# Altium PCB cyber60.PcbDoc (part 3 of 3)
Units mm, origin at the board's own origin, x right, y up, seen from the top; angles counter-clockwise.
Board outline 284.81 x 94.3 mm, 2 copper layers (Component Side, Bottom Layer), stack 1.571 mm thick; 182 components, 112 nets, 815 pads, 228 vias.
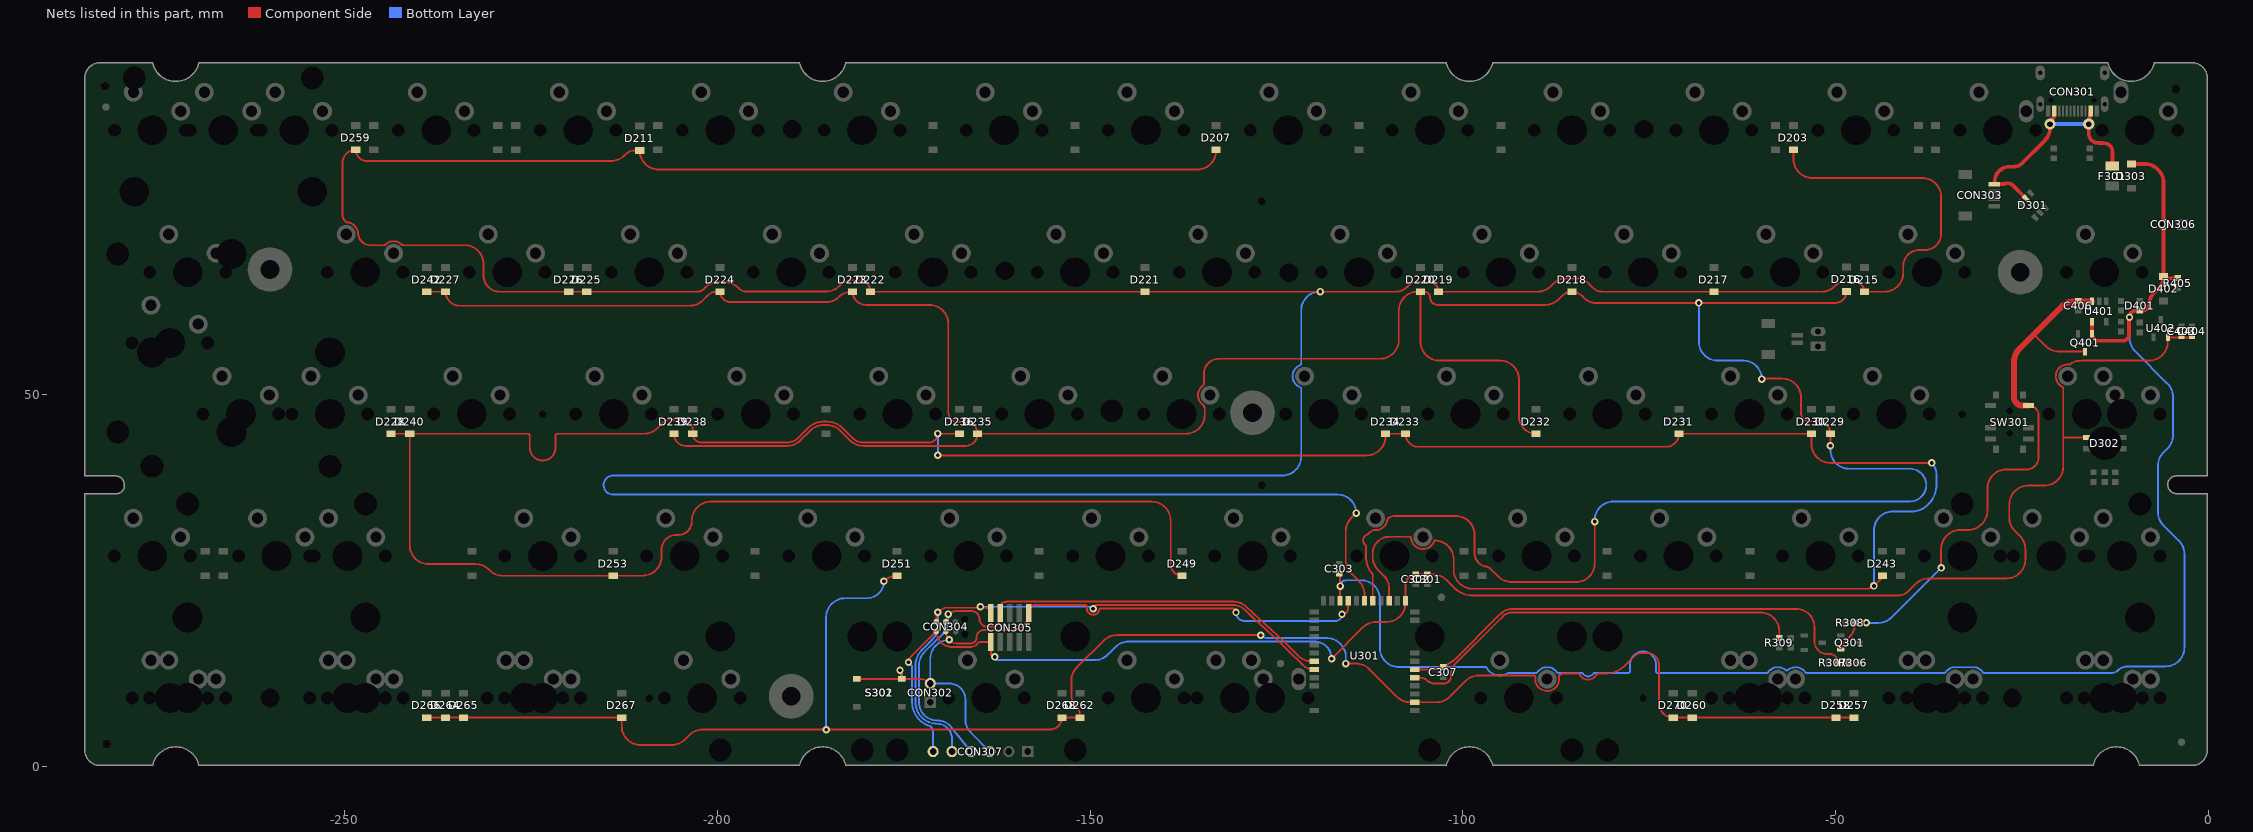
[diagram p3: the nets of this part, all layers, seen from the top]

## Via types
v1: diameter 1, hole 0.5, Component Side to Bottom Layer, tented both sides, 221 vias
v2: diameter 1.5, hole 0.8, Component Side to Bottom Layer, tented both sides, 5 vias
v3: diameter 1.5, hole 0.75, Component Side to Bottom Layer, tented both sides, 2 vias

## Nets (pads, with @x,y where several pads share a name; then routed paths per layer and width w, separated by ;. In a path a pad name is that pad's centre, name@x,y a point inside that pad or via, vN(x,y) a via of type N, cw(c..) or ccw(c..) an arc to the next point about the centre after c; other vN are vias at no path point) (continued)
P0.18/RESET: CON302.2 CON304.3 CON305.10 CON307.3 S301.2 S302.1 U301.21 | length 102.1
  Component Side w0.254: S301.2@-181.308,11.781 S301.2@-175.308,11.781 ; v1(-175.514,12.954) cw(c-176.011,12.457) -175.308,12.457 S301.2@-175.308,11.781 ; CON302.2@-171.45,11.176 ccw(c-172.911,9.715) -172.911,11.781 S301.2@-175.308,11.781 ; CON304.3@-169.371,18.161 ccw(c-167.72,18.161) -167.72,16.51 -166.116,16.51 ccw(c-166.116,17.399) -165.227,17.399 cw(c-164.284,17.399) -164.284,18.342 -160.519,18.342 ccw(c-160.519,20.619) CON305.10@-158.242,20.619 cw(c-157.017,20.619) -157.674,21.653 cw(c-157.539,21.438) -157.537,21.692 -150.664,21.692 cw(c-150.662,21.438) -150.414,21.384 ccw(c-149.606,21.209) -148.797,21.037 cw(c-148.549,20.984) -148.548,21.238 -130.966,21.238 cw(c-130.966,20.701) v1(-130.429,20.701) ; v1(-116.205,20.447) ccw(c-116.205,21.272) -115.38,21.272 U301.21@-115.38,22.25
  Bottom Layer w0.254: S302.1@-181.308,11.781 S302.1@-175.308,11.781 -175.308,12.457 ccw(c-176.011,12.457) v1(-175.514,12.954) ; v1(-168.91,17.018) ccw(c-168.91,14.478) -171.45,14.478 CON302.2@-171.45,11.176 -168.91,11.176 cw(c-168.91,9.017) -166.751,9.017 -166.751,6.386 ccw(c-164.211,6.386) -166.007,4.59 CON307.3@-163.449,2.032 ; v1(-130.429,20.701) ccw(c-129.286,20.701) -129.286,19.558 -117.094,19.558 ccw(c-117.094,20.447) v1(-116.205,20.447)
P0.21: D203.2 D207.2 D211.2 D215.2 D217.2 D219.2 D221.2 D222.2 D225.2 D226.2 D259.2 U301.19 | length 626.7
  Component Side w0.254: -248.229,71.635 cw(c-249.815,71.445) -248.218,71.456 ; D207.2@-133.096,82.78 -133.096,82.677 cw(c-135.636,82.677) -135.636,80.137 -207.899,80.137 cw(c-207.899,82.677) -210.439,82.677 D211.2@-210.439,82.693 -211.079,82.693 ccw(c-211.079,80.904) -212.344,82.169 -212.489,82.024 cw(c-214.285,83.82) -214.285,81.28 -247.039,81.28 cw(c-247.039,82.78) D259.2@-248.539,82.78 ccw(c-248.539,81.002) -250.317,81.002 -250.317,73.985 ccw(c-249.282,73.985) -249.745,73.06 ccw(c-249.631,73.287) -249.658,73.034 ccw(c-249.631,73.287) -249.656,73.034 cw(c-249.815,71.445) -249.282,72.951 cw(c-249.815,71.445) -248.218,71.456 ; v1(-114.3,34.036) -114.953,33.383 ccw(c-113.157,31.587) -115.697,31.587 -115.697,27.568 ccw(c-113.529,27.568) -115.062,26.035 -113.924,24.897 cw(c-115.72,23.101) -113.18,23.101 U301.19@-113.18,22.25 ; D217.2@-66.421,63.627 -66.335,63.713 cw(c-66.294,63.672) D217.2@-66.294,63.73 ; D203.2@-55.626,82.78 -55.626,81.534 ccw(c-53.086,81.534) -53.086,78.994 -38.354,78.994 cw(c-38.354,76.454) -35.814,76.454 -35.814,71.501 cw(c-37.973,71.501) -37.973,69.342 -38.735,69.342 ccw(c-38.735,67.183) -40.894,67.183 -40.894,66.27 cw(c-43.434,66.27) -43.434,63.73 D215.2@-46.101,63.73 ccw(c-47.395,63.73) -47.395,65.024 -48.812,65.024 ccw(c-48.812,63.29) -50.038,64.516 -50.08,64.474 cw(c-51.876,66.27) -51.876,63.73 D217.2@-66.294,63.73 ; -248.218,71.456 ccw(c-247.964,71.457) -248.218,71.454 ccw(c-247.964,71.457) -248.218,71.452 -248.218,71.439 ccw(c-246.572,71.635) -246.574,69.977 ccw(c-246.572,71.635) -246.572,69.977 -246.267,69.977 -244.756,69.977 ccw(c-244.756,70.231) -244.579,70.049 cw(c-243.465,68.905) -242.351,70.049 ccw(c-242.174,70.231) -242.174,69.977 -239.613,69.977 -233.934,69.977 cw(c-233.934,67.437) -231.394,67.437 -231.394,65.913 ccw(c-229.211,65.913) -229.211,63.73 D226.2@-219.964,63.73 D225.2@-217.551,63.73 -202.781,63.73 ccw(c-202.781,65.113) -201.803,64.135 -201.658,64.28 cw(c-199.862,62.484) -199.862,65.024 -199.045,65.024 cw(c-199.045,62.484) -197.249,64.28 -197.104,64.135 ccw(c-196.184,65.055) -196.184,63.754 -185.456,63.754 ccw(c-185.456,66.294) -183.66,64.498 -183.515,64.643 cw(c-181.982,63.11) -181.982,65.278 -180.999,65.278 cw(c-180.999,63.73) D222.2@-179.451,63.73 D221.2@-142.621,63.73 -109.033,63.73 ccw(c-109.033,65.98) -107.442,64.389 -107.256,64.575 cw(c-106.172,63.491) -106.172,65.024 -104.545,65.024 cw(c-104.545,63.73) D219.2@-103.251,63.73 -89.976,63.73 ccw(c-89.976,66.27) -88.18,64.474 -87.866,64.788 cw(c-86.07,62.992) -86.07,65.532 -84.872,65.532 cw(c-84.872,62.992) -83.076,64.788 -82.55,64.262 ccw(c-81.266,65.546) -81.266,63.73 D217.2@-66.294,63.73
  Bottom Layer w0.254: v1@-119.126,63.754 v1(-119.141,63.754) ccw(c-119.141,61.214) -121.681,61.214 -121.681,54.106 cw(c-121.935,54.105) -121.838,53.871 ccw(c-121.227,52.395) -121.838,50.919 cw(c-121.935,50.685) -121.681,50.684 -121.681,41.611 cw(c-124.221,41.611) -124.221,39.071 -214,39.071 ccw(c-214,37.79) -214,36.509 -116.773,36.509 cw(c-116.773,34.036) v1(-114.3,34.036)
P0.23: D216.2 D218.2 D220.2 D223.2 D224.2 D227.2 D229.2 D232.2 D235.2 D239.2 D242.2 U301.18 | length 453.7
  Component Side w0.254: D242.2@-239.014,63.73 D227.2@-236.474,63.73 ccw(c-234.593,63.73) -234.593,61.849 -203.744,61.849 ccw(c-203.744,64.389) -201.948,62.593 -201.295,63.246 cw(c-200.127,62.078) -200.127,63.73 D224.2@-199.644,63.73 ccw(c-198.271,63.73) -198.271,62.357 -185.302,62.357 ccw(c-185.302,64.525) -183.769,62.992 cw(c-181.987,61.21) -183.267,63.381 cw(c-181.987,61.21) -181.987,63.73 D223.2@-181.864,63.73 ccw(c-180.11,63.73) -180.11,61.976 -171.577,61.976 cw(c-171.577,59.436) -169.037,59.436 -169.037,47.625 ccw(c-167.64,47.625) -167.64,46.228 -166.648,46.228 cw(c-166.648,44.68) D235.2@-165.1,44.68 ; D239.2@-205.867,44.68 ccw(c-204.24,44.68) -204.24,43.053 -190.663,43.053 ccw(c-190.663,45.593) -188.867,43.797 -187.561,45.103 cw(c-185.765,43.307) -185.765,45.847 -185.329,45.847 cw(c-185.329,43.307) -183.533,45.103 -182.227,43.797 ccw(c-180.431,45.593) -180.431,43.053 -166.727,43.053 ccw(c-166.727,44.68) D235.2@-165.1,44.68 ; -134.849,48.551 cw(c-134.997,48.344) -134.747,48.39 ccw(c-134.62,48.39) -134.62,48.263 -134.62,47.22 cw(c-137.16,47.22) -137.16,44.68 D235.2@-165.1,44.68 ; -134.85,48.551 cw(c-133.927,49.855) -135.509,50.077 cw(c-133.927,49.855) -134.854,51.156 ccw(c-135.001,51.363) -134.747,51.364 -134.747,52.705 cw(c-132.715,52.705) -132.715,54.737 -111.125,54.737 ccw(c-111.125,57.277) -108.585,57.277 -108.585,61.19 cw(c-106.045,61.19) -107.027,63.533 cw(c-106.045,61.19) -106.045,63.73 D220.2@-105.664,63.73 ; U301.18@-112.08,22.25 -112.08,25.731 ccw(c-112.334,25.732) -112.143,25.9 cw(c-109.547,28.169) -112.995,28.169 -112.995,29.554 ccw(c-113.249,29.555) -113.083,29.747 cw(c-112.541,30.372) -112.976,31.075 cw(c-112.541,30.372) -112.811,31.154 ccw(c-112.894,31.394) -112.695,31.236 cw(c-111.601,30.372) -111.907,31.732 cw(c-111.755,31.041) -111.74,31.748 cw(c-111.755,31.041) -111.737,31.748 ccw(c-111.702,33.345) -111.385,31.78 ccw(c-111.702,33.345) -110.497,32.297 ccw(c-111.702,33.345) -110.116,33.159 cw(c-109.864,33.13) -110.028,33.323 cw(c-109.139,32.297) -109.139,33.655 -100.965,33.655 cw(c-100.965,31.115) -98.425,31.115 -98.425,28.702 ccw(c-96.52,28.702) -97.011,26.861 ; D232.2@-90.17,44.68 cw(c-90.17,46.966) -92.456,46.966 -92.456,51.943 ccw(c-94.996,51.943) -94.996,54.483 -103.124,54.483 cw(c-103.124,57.023) -105.664,57.023 D220.2@-105.664,63.73 ; v1(-82.296,32.893) -82.296,27.305 cw(c-84.836,27.305) -84.526,24.784 -93.455,24.784 cw(c-93.455,27.324) -95.251,25.528 -96.283,26.56 ccw(c-97.011,25.832) -96.669,26.803 ; v1@-59.944,52.07 -57.15,52.07 cw(c-57.15,49.53) -54.61,49.53 -54.61,47.498 ccw(c-53.467,47.498) -53.467,46.355 -52.348,46.355 cw(c-52.348,44.68) D229.2@-50.673,44.68 v1(-50.673,43.053) ; D216.2@-48.514,63.77 cw(c-50.054,63.77) -50.054,62.23 -82.16,62.23 cw(c-82.16,64.398) -83.693,62.865 -84.002,63.174 ccw(c-85.344,61.832) D218.2@-85.344,63.73 ccw(c-85.344,61.832) -86.686,63.174 -87.14,62.72 cw(c-88.936,64.516) -88.936,61.976 -103.378,61.976 cw(c-103.378,62.992) -104.394,62.992 ccw(c-105.132,62.992) -105.132,63.73 D220.2@-105.664,63.73 ; -97.011,26.861 ccw(c-96.52,28.702) -96.669,26.803 ; -97.011,26.861 cw(c-97.011,25.832) -96.669,26.803
  Bottom Layer w0.254: v1(-82.296,32.893) -82.296,33.061 cw(c-79.756,33.061) -79.756,35.601 -40,35.601 ccw(c-40,37.79) -40,39.979 -46.609,39.979 -48.133,39.979 cw(c-48.133,42.519) -50.673,42.519 v1(-50.673,43.053) ; v1(-68.326,62.23) -68.326,57.023 ccw(c-65.786,57.023) -65.786,54.483 -62.359,54.483 cw(c-62.359,52.008) v1(-59.885,52.008)
P1.09: D228.2 D230.2 D231.2 D233.2 D234.2 D236.2 D238.2 D240.2 D243.2 D249.2 D253.2 U301.16 | length 469.9
  Component Side w0.254: D228.2@-243.84,44.68 D240.2@-241.3,44.68 ; -186.82,46.109 ccw(c-185.765,43.307) -187.883,45.423 -188.552,44.754 -189.189,44.117 cw(c-190.663,45.593) -190.663,43.507 -202.154,43.507 cw(c-202.154,44.68) D238.2@-203.327,44.68 -203.327,45.212 ccw(c-204.724,45.212) -204.724,46.609 -206.165,46.609 ccw(c-206.165,44.875) -207.391,46.101 -208.068,45.424 cw(c-209.864,47.22) -209.864,44.68 -221.473,44.68 ccw(c-221.473,44.426) -221.727,44.426 -221.727,42.815 cw(c-223.462,42.815) -225.197,42.815 -225.197,44.426 ccw(c-225.451,44.426) -225.451,44.68 D240.2@-241.3,44.68 ; -186.819,46.109 cw(c-185.765,43.307) -186.464,46.218 cw(c-185.765,43.307) -185.765,46.301 -185.329,46.301 cw(c-185.329,43.307) -183.463,45.648 cw(c-185.329,43.307) -183.462,45.647 cw(c-185.329,43.307) -183.211,45.423 -182.541,44.753 -181.906,44.118 ccw(c-180.431,45.593) -180.466,43.507 -171.607,43.507 ccw(c-171.607,44.68) -170.434,44.68 D236.2@-167.513,44.68 ; v1(-170.434,41.783) -112.903,41.783 ccw(c-112.903,44.323) -110.363,44.323 D234.2@-110.363,44.68 D233.2@-107.696,44.68 ccw(c-105.942,44.68) -105.942,42.926 -72.747,42.926 ccw(c-72.747,44.68) D231.2@-70.993,44.68 D230.2@-53.213,44.68 -53.213,43.307 ccw(c-50.673,43.307) -50.673,40.767 v1(-37.084,40.767) ; D249.2@-137.668,25.63 cw(c-137.668,27.154) -139.192,27.154 -139.192,33.02 ccw(c-141.732,33.02) -141.732,35.56 -200.914,35.56 ccw(c-200.914,33.02) -203.454,33.02 -203.454,32.893 cw(c-205.232,32.893) -205.232,31.115 -205.486,31.115 ccw(c-205.486,29.083) -207.518,29.083 -207.518,28.17 cw(c-210.058,28.17) -210.058,25.63 D253.2@-213.995,25.63 -228.914,25.63 cw(c-228.914,27.88) -230.505,26.289 -230.65,26.434 ccw(c-232.446,24.638) -232.446,27.178 -238.76,27.178 cw(c-238.76,29.718) -241.3,29.718 D240.2@-241.3,44.68 ; U301.16@-109.88,22.25 -109.88,23.858 ccw(c-112.42,23.858) -110.624,25.654 -111.343,26.373 cw(c-109.547,28.169) -112.087,28.169 -112.087,28.629 cw(c-109.855,28.629) -109.855,30.861 -107.194,30.861 cw(c-107.193,30.607) -106.94,30.634 ccw(c-105.352,30.805) -103.865,30.223 cw(c-103.628,30.131) -103.755,30.351 cw(c-103.755,27.815) -103.274,30.305 cw(c-103.755,27.815) -101.219,27.815 -101.219,26.416 ccw(c-98.679,26.416) -98.679,23.876 -45.751,23.876 ccw(c-45.751,25.177) v1(-44.831,24.257) -43.851,25.237 ccw(c-44.243,25.63) D243.2@-43.688,25.63
  Bottom Layer w0.254: v1@-170.434,42.248 v1(-170.434,44.704) ; v1(-44.831,24.257) -44.831,31.699 cw(c-42.291,31.699) -42.291,34.239 -39.751,34.239 ccw(c-39.751,37.233) -37.448,35.32 cw(c-37.253,35.158) -37.436,35.333 ccw(c-40,37.79) -36.627,36.68 ccw(c-40,37.79) -36.453,37.965 cw(c-36.2,37.978) -36.453,37.967 cw(c-36.2,37.978) -36.454,37.978 -36.454,38.483 -36.454,39.245 ccw(c-38.606,39.245) v1(-37.084,40.767)
P1.11: D251.2 D257.2 D258.2 D260.2 D262.2 D264.2 D265.2 D266.2 D267.2 D268.2 D270.2 U301.2 | length 249.7
  Component Side w0.254: D266.2@-239.014,6.58 D264.2@-236.474,6.58 D265.2@-234.061,6.58 D267.2@-212.852,6.58 -212.852,5.461 ccw(c-210.312,5.461) -210.312,2.921 -206.157,2.921 ccw(c-206.157,5.461) -204.361,3.665 -203.777,4.249 cw(c-201.981,2.453) -201.981,4.993 ; -201.979,4.993 -197.358,4.992 -194.564,4.991 -190.114,4.99 ccw(c-190.113,9.021) -189.95,4.993 cw(c-189.94,4.739) -189.949,4.993 cw(c-189.94,4.739) -189.939,4.993 -155.384,4.993 ccw(c-155.384,6.58) D268.2@-153.797,6.58 D262.2@-151.384,6.58 -151.384,6.849 ccw(c-153.552,6.849) -152.019,8.382 cw(c-150.793,9.608) -152.527,9.608 -152.527,11.521 cw(c-149.987,11.521) -151.783,13.317 -148.191,16.909 cw(c-146.395,15.113) -146.395,17.653 v1(-127.127,17.653) ; v1(-177.673,24.892) -177.67,24.895 cw(c-175.895,23.119) D251.2@-175.895,25.63 ; v1(-115.697,13.843) -114.336,13.843 cw(c-114.336,11.303) -112.54,13.099 -108.835,9.394 ccw(c-107.039,11.19) -107.039,8.65 U301.2@-106.43,8.65 -103.527,8.65 ccw(c-103.527,11.19) -101.731,9.394 -99.619,11.506 cw(c-97.823,9.71) -97.823,12.25 cw(c-97.823,11.996) -97.821,12.25 -96.647,12.248 -95.036,12.244 ccw(c-95.033,14.295) -94.919,12.247 cw(c-94.904,11.994) -94.917,12.247 cw(c-94.904,11.994) -94.903,12.248 -90.517,12.248 cw(c-90.519,11.994) -90.267,11.961 ccw(c-88.683,11.755) -87.966,10.328 ccw(c-88.683,11.755) -87.112,12.041 cw(c-86.862,12.087) -87.019,12.286 cw(c-85.467,10.328) -86.799,12.443 cw(c-86.664,12.227) -86.663,12.481 -84.538,12.481 cw(c-84.537,12.227) -84.313,12.347 ccw(c-83.185,12.954) -82.057,12.347 cw(c-81.833,12.227) -81.832,12.481 -80.935,12.481 ccw(c-80.935,16.383) -78.175,13.625 -77.84,13.959 -76.869,14.931 cw(c-76.037,14.097) -76.037,15.275 -75.311,15.275 cw(c-75.311,13.624) -73.66,13.624 -73.66,8.485 ccw(c-71.755,8.485) D270.2@-71.755,6.58 D260.2@-69.215,6.58 D258.2@-49.911,6.58 D257.2@-47.498,6.58
  Bottom Layer w0.254: v1(-185.42,4.953) -185.42,20.066 cw(c-182.88,20.066) -182.88,22.606 -179.959,22.606 ccw(c-179.959,24.892) v1(-177.673,24.892) ; v1(-127.127,17.653) ccw(c-126.157,18.623) -126.157,17.251 -118.237,17.251 cw(c-118.237,14.711) -115.697,14.711 v1(-115.697,13.843)
RAW: CON301.A4B9 CON301.B4A9 CON303.1 D301.5 F301.2 | length 33.8
  Component Side w0.5: -26.161,77.977 ccw(c-26.924,77.214) -26.924,78.293 ccw(c-26.924,77.343) -27.285,78.222 cw(c-27.476,78.684) -27.476,78.184 -28.625,78.184 CON303.1@-28.702,78.184 cw(c-27.973,78.184) -28.702,78.196 cw(c-27.973,78.184) -28.625,78.511 cw(c-26.617,78.511) -26.671,80.517 cw(c-26.617,78.511) -26.617,80.518 -26.035,80.518 ccw(c-26.035,82.051) -24.951,80.967 -21.953,83.965 ccw(c-23.749,85.761) -21.209,85.761 v3(-21.209,86.233) -21.209,86.434 cw(c-20.709,86.434) -20.941,86.876 ccw(c-21.15,87.275) -20.7,87.275 -20.7,87.782 cw(c-20.2,87.782) CON301.B4A9@-20.65,88 ; -26.161,77.977 D301.5@-24.467,76.283 ; CON301.A4B9@-15.75,88 ccw(c-15.35,87.7) -15.85,87.7 -15.85,87.275 cw(c-16.3,87.275) -15.922,87.031 ccw(c-15.502,86.76) -16.002,86.76 v3(-16.002,86.233) -16.002,84.963 ccw(c-14.732,84.963) -14.732,83.693 -14.398,83.693 cw(c-14.398,81.36) -13.954,83.65 cw(c-13.954,82.524) -13.203,83.364 cw(c-13.954,82.524) -12.827,82.524 F301.2@-12.827,80.6
  Bottom Layer w0.5: v3(-21.209,86.233) v3(-16.002,86.233)
SWDCLK: CON304.4 CON305.4 CON307.4 U301.31 | length 80.8
  Component Side w0.254: CON304.4@-169.371,19.431 cw(c-167.92,19.431) -167.92,20.882 -165.916,20.882 cw(c-165.916,19.812) -164.846,19.812 ccw(c-163.83,19.812) -163.83,18.796 -163.068,18.796 ccw(c-163.068,19.812) -162.052,19.812 CON305.4@-162.052,20.619 -162.052,21.439 cw(c-161.365,21.439) -161.365,22.126 -161.318,22.126 -161.249,22.136 -161.248,22.137 ccw(c-161.288,22.387) -161.209,22.146 -130.767,22.146 cw(c-130.767,19.606) -128.971,21.402 ccw(c-128.791,21.581) -128.963,21.394 -124.025,16.823 cw(c-126.056,14.624) -123.938,16.74 -122.092,14.894 ccw(c-120.296,16.69) -120.296,14.15 U301.31@-119.93,14.15
  Bottom Layer w0.254: v1(-169.039,20.479) -169.039,19.592 cw(c-171.579,19.592) -169.783,17.796 cw(c-169.964,17.975) -169.788,17.791 -170.962,16.658 ccw(c-168.91,14.478) -171.029,16.593 -172.229,15.391 cw(c-172.409,15.571) -172.23,15.39 ccw(c-170.434,13.594) -172.974,13.594 -172.974,8.636 ccw(c-170.561,8.636) -170.814,6.236 ; CON307.4@-165.989,2.032 -168.625,5.297 ccw(c-170.561,3.737) -170.457,6.221 -170.507,6.223 ; -170.814,6.236 ccw(c-170.561,8.636) -170.561,6.223 -170.507,6.223 ; -170.814,6.236 -170.507,6.223
SWDIO: CON304.2 CON305.2 CON307.5 U301.32 | length 79.9
  Component Side w0.254: CON304.2@-170.641,19.431 -170.641,19.812 cw(c-169.117,19.812) -169.117,21.336 -164.039,21.336 cw(c-164.039,20.619) CON305.2@-163.322,20.619 ; v1(-149.606,21.209) cw(c-149.123,21.209) -149.123,21.692 -130.767,21.692 cw(c-130.767,19.606) -129.704,21.401 cw(c-130.767,19.606) -129.293,21.082 ccw(c-128.791,21.581) -129.272,21.061 -128.294,20.157 -127.099,19.05 -124.651,16.74 -123.389,15.549 -121.569,13.729 ; -121.568,13.728 ccw(c-119.93,15.368) U301.32@-119.93,13.05
  Bottom Layer w0.254: v1(-170.436,20.733) -170.436,18.878 cw(c-172.976,18.878) -171.18,17.082 -171.276,16.986 ccw(c-168.91,14.478) -171.349,16.915 -171.602,16.662 -172.55,15.713 ccw(c-170.434,13.594) -173.428,13.594 -173.428,8.636 ccw(c-170.561,8.636) -173.414,8.351 ccw(c-170.561,8.636) -170.561,5.769 cw(c-170.561,3.737) -168.529,3.737 CON307.5@-168.529,2.032 ; v1(-164.719,21.463) -150.219,21.463 cw(c-150.219,20.596) v1(-149.606,21.209)
VBAT: C406.2 Q301.2 Q401.3 R308.1 SW301.6 U401.3 | length 79.5
  Component Side w0.254: Q301.2@-49.259,15.702 cw(c-47.881,15.702) -48.855,16.677 -48.1,17.432 ccw(c-49.896,19.228) -47.356,19.228 cw(c-47.173,19.045) -47.173,19.304 v1(-45.847,19.304) ; v1(-35.814,26.67) -35.814,29.21 cw(c-33.274,29.21) -35.43,30.553 cw(c-33.274,29.21) -33.274,31.75 -32.258,31.75 ccw(c-32.258,34.402) -29.606,34.402 -29.606,37.338 cw(c-27.066,37.338) -27.066,39.878 -24.384,39.878 ccw(c-24.384,41.529) -22.733,41.529 -22.733,47.135 ccw(c-24.076,47.135) SW301.6@-24.076,48.478 ; -23.358,58.029 -21.769,56.44 ccw(c-19.973,58.236) -19.973,55.696 Q401.3@-16.51,55.696
  Component Side w0.8: SW301.6@-24.076,48.478 -24.983,48.478 cw(c-24.983,49.53) -26.035,49.53 -26.035,54.301 cw(c-23.495,54.301) -25.291,56.097 -23.358,58.029 -19.695,61.693 cw(c-17.899,59.897) -17.899,62.437 U401.3@-15.58,62.437
  Bottom Layer w0.254: v1(-45.847,19.304) -44.232,19.304 ccw(c-44.232,21.844) -42.436,20.048 v1(-35.814,26.67)
VBAT_EN: R309.2 U301.5 | length 56
  Component Side w0.254: U301.5@-106.43,11.95 -105.724,11.95 cw(c-105.724,10.608) -104.775,11.557 ccw(c-103.855,12.477) -103.855,11.176 -102.489,11.176 ccw(c-102.489,12.065) -101.6,12.065 -101.6,12.446 cw(c-99.794,12.446) -101.072,13.722 -95.243,19.551 -94.574,20.22 cw(c-93.42,19.066) -93.42,20.698 -60.071,20.698 cw(c-60.071,18.158) -57.531,18.158 R309.2@-57.531,17.287
VBAT_SENSE: C307.2 R306.2 R307.1 U301.6 | length 66.2
  Component Side w0.254: U301.6@-106.43,13.05 -103.759,13.05 ccw(c-103.759,13.589) -103.378,13.208 cw(c-103.035,12.865) -103.035,13.35 C307.2@-102.616,13.35 -101.34,14.185 ccw(c-102.98,16.69) -100.864,14.572 ccw(c-102.98,16.69) -100.862,14.574 -95.344,20.092 -94.895,20.541 cw(c-93.42,19.066) -93.42,21.152 -55.188,21.152 cw(c-55.188,18.796) -52.832,18.796 -52.832,16.891 ccw(c-51.054,16.891) -51.054,15.113 -50.785,15.113 cw(c-50.785,13.97) R307.1@-49.642,13.97 R306.2@-48.275,13.97
VBUS: C303.2 CON306.2 D303.2 D401.1 D402.1 Q401.1 R405.1 U301.22 U401.4 | length 221.6
  Component Side w0.254: C303.2@-116.586,25.893 cw(c-116.586,25.766) -116.459,25.766 v1(-116.459,24.241) ; U301.22@-116.48,22.25 v1@-116.48,23.993
  Component Side w0.5: U401.4@-15.555,59.712 -15.56,59.712 Q401.1@-15.56,58.096 ccw(c-14.614,58.096) -14.614,57.15 -11.458,57.15 ccw(c-11.458,58.001) -10.607,58.001 -10.607,60.259 cw(c-10.541,60.259) v1(-10.541,60.325) cw(c-9.667,60.325) -9.667,61.199 D401.1@-9.144,61.199 -8.778,61.199 ccw(c-8.778,62.103) -7.874,62.103 cw(c-5.728,62.103) -7.245,63.621 -6.586,64.28 ccw(c-8.077,65.77) D402.1@-5.969,65.77 ; D303.2@-10.287,80.885 -8.509,80.885 cw(c-8.509,78.345) -5.969,78.345 CON306.2@-5.969,72.771 D402.1@-5.969,65.77 ; R405.1@-4.064,65.547 -5.746,65.547 cw(c-5.746,65.77) D402.1@-5.969,65.77
  Bottom Layer w0.254: v1(-116.459,24.241) cw(c-115.681,24.241) -115.681,25.019 -113.665,25.019 cw(c-113.665,22.479) -111.125,22.479 -111.125,15.927 ccw(c-108.585,15.927) -108.585,13.387 -97.025,13.387 cw(c-97.024,13.133) -96.804,13.261 ccw(c-95.033,14.295) -96.709,13.112 ccw(c-95.033,14.295) -93.977,12.537 cw(c-93.846,12.319) -93.845,12.573 -90.192,12.573 ccw(c-90.192,12.827) -89.985,12.68 cw(c-88.683,11.755) -87.381,12.68 ccw(c-87.174,12.827) -87.174,12.573 -84.06,12.573 cw(c-84.06,12.319) -83.854,12.468 ccw(c-83.185,12.954) -82.516,12.468 cw(c-82.31,12.319) -82.309,12.573 -77.808,12.573 ccw(c-77.808,12.827) -77.554,12.827 -77.554,13.715 cw(c-75.819,13.715) -74.084,13.715 -74.084,12.827 ccw(c-73.83,12.827) -73.83,12.573 -70.993,12.573 -59.236,12.573 ccw(c-59.236,12.827) -59.029,12.68 cw(c-57.727,11.755) -56.7,12.978 ccw(c-56.536,13.172) -56.373,12.978 cw(c-55.346,11.755) -54.044,12.68 ccw(c-53.837,12.827) -53.837,12.573 -50.039,12.573 ; -50.038,12.573 -35.418,12.573 ccw(c-35.418,12.827) -35.211,12.68 cw(c-33.909,11.755) -33.892,13.352 -31.528,13.352 cw(c-31.528,11.755) -30.226,12.68 ccw(c-30.019,12.827) -30.019,12.573 -12.985,12.573 ccw(c-12.985,13.874) -12.065,12.954 cw(c-10.839,11.728) -10.839,13.462 -5.715,13.462 ccw(c-5.715,16.002) -3.175,16.002 -3.175,28.539 ccw(c-5.715,28.539) -3.919,30.335 -5.987,32.403 cw(c-4.191,34.199) -6.731,34.199 -6.731,40.35 cw(c-4.191,40.35) -5.987,42.146 -5.443,42.69 ccw(c-7.239,44.486) -4.699,44.486 -4.699,49.621 ccw(c-7.239,49.621) -5.443,51.417 -9.797,55.771 cw(c-8.001,57.567) -10.541,57.567 v1(-10.541,60.325)
VCC3V3: C301.2 C302.2 C403.2 C404.2 CON304.1 CON305.1 CON307.6 D302.4 U301.14 U402.2 | length 236.5
  Component Side w0.254: v1@-174.371,13.97 cw(c-173.258,13.97) -174.045,14.757 CON304.1@-170.641,18.161 ccw(c-168.536,18.161) -168.536,16.056 ; -168.729,16.056 -168.536,16.056 ; v1(-162.814,14.732) cw(c-162.814,15.24) -163.322,15.24 CON305.1@-163.322,16.719 -164.819,16.719 ccw(c-164.821,16.465) -165.027,16.614 cw(c-166.116,17.399) -166.116,16.056 -168.536,16.056 ; v1(-117.602,14.478) -113.393,18.687 cw(c-111.597,16.891) -111.597,19.431 -110.22,19.431 ccw(c-110.22,21.971) -107.68,21.971 U301.14@-107.68,22.25 -107.68,24.415 cw(c-106.299,24.415) C302.2@-106.299,25.796 C301.2@-104.775,25.796 -103.961,25.796 cw(c-103.961,23.256) -102.164,25.052 ; -102.164,25.051 cw(c-102.343,24.871) -102.16,25.048 ; -102.16,25.048 -101.148,24.009 ; -100.848,23.736 cw(c-98.679,26.416) -101.148,24.009 ; D302.4@-16.157,44.172 -19.407,44.172 cw(c-19.407,44.196) -19.431,44.196 ; C404.2@-2.159,57.77 cw(c-2.328,57.77) -2.328,57.601 U402.2@-5.4,57.601 -5.4,57.023 cw(c-7.94,57.023) -7.94,54.483 -16.891,54.483 ccw(c-16.891,51.943) -17.322,54.446 cw(c-17.366,54.696) -17.351,54.443 ccw(c-17.237,52.395) -18.473,54.032 cw(c-18.626,54.234) -18.655,53.982 ccw(c-18.834,52.395) -19.568,50.977 cw(c-19.685,50.751) -19.431,50.75 -19.431,44.196 ; -101.148,24.009 ccw(c-98.679,26.416) -101.117,23.978 ccw(c-98.679,26.416) -98.945,22.978 ccw(c-98.679,26.416) -98.679,22.968 -41.656,22.968 ccw(c-41.656,25.068) -40.171,23.583 -39.225,24.529 cw(c-37.429,22.733) -37.429,25.273 -27.051,25.273 ccw(c-27.051,27.813) -24.511,27.813 -24.511,29.174 ccw(c-27.051,29.174) -25.255,30.97 -25.926,31.641 cw(c-24.13,33.437) -26.67,33.437 -26.67,35.179 cw(c-24.13,35.179) -24.13,37.719 -21.971,37.719 ccw(c-21.971,40.259) -19.431,40.259 -19.431,44.196
  Bottom Layer w0.254: v1(-174.373,14.002) -174.373,13.972 -173.882,13.48 -173.882,8.636 ccw(c-170.561,8.636) -172.567,5.989 ; -172.566,5.988 ccw(c-170.561,8.636) -171.474,5.443 cw(c-171.544,5.199) -171.334,5.341 cw(c-172.567,4.491) -171.069,4.491 CON307.6@-171.069,2.032 ; v1(-162.814,14.732) ccw(c-162.377,14.732) -162.377,14.295 -149.444,14.295 ccw(c-149.444,16.835) -147.646,15.041 -147.256,15.43 -146.634,16.053 cw(c-144.838,14.257) -144.838,16.797 -128.368,16.8 ; -128.367,16.8 cw(c-128.363,14.295) -128.247,16.797 -119.921,16.797 cw(c-119.921,14.478) v1(-117.602,14.478)
pads on no net: CON301. CON301.A8 CON301.B8 CON304.0 CON304.6 CON305.6 CON305.7 CON305.8 D301.1 D301.6 D302. FID1.0 FID2.0 FID3.0 FID4.0 S201. S202. S203. S204. S205. S206. S207. S208. S209. S210. S211. S212. S213. S214. S215. S216. S217. S218. S219. S220. S221. S222. S223. S224. S225. S226. S227. S228. S228_2. S229. S230. S231. S232. S233. S234. S235. S236. S237. S238. S239. S240. S242. S243. S244. S245. S246. S247. S248. S249. S250. S251. S252. S253. S254. S256. S257. S258. S259. S260. S262. S264. S265. S266. S267. S268. S269. S270. SW301. SW301.1 SW301.2 SW301.3 SW301.4

## Polygon pours and split planes (outlines as drawn)
GND on Bottom Layer "Component Side-No Net" (hatched 45Degree grid 0.508 track 0.203, remove dead copper, pour order 4): -0.635,93.995 -0.635,0.65 -284.48,0.65 -284.48,93.995
GND on Component Side "Component Side-No Net" (hatched 45Degree grid 0.508 track 0.203, remove dead copper, pour order 8): -0.635,93.995 -0.635,0.65 -284.48,0.65 -284.48,93.995

## Other copper
Component Side:
  pour cut-out: -150.114,-0.762 ccw(c-149.987,-0.762) -149.987,-0.889 -77.597,-0.889 ccw(c-77.597,-0.762) -77.47,-0.762 -77.47,5.842 ccw(c-78.867,5.842) -78.867,7.239 -148.717,7.239 ccw(c-148.717,5.842) -150.114,5.842
  pour cut-out: -214,36.59 cw(c-214,37.79) -214,38.99 -40,38.99 cw(c-40,37.79) -38.8,37.79 cw(c-40,37.79) -40,36.59
  pour cut-out: -214,74.69 cw(c-214,75.89) -214,77.09 -40,77.09 cw(c-40,75.89) -38.8,75.89 cw(c-40,75.89) -40,74.69
  pour cut-out: -285.3,2.215 ccw(c-282.85,2.215) -282.85,-0.235 ccw(c-282.85,0.215) -282.848,-0.235 -275.85,-0.235 ccw(c-275.85,0.215) -275.411,0.114 cw(c-272.7,-0.52) -269.989,0.113 ccw(c-269.55,0.215) -269.1,0.215 ccw(c-269.55,0.215) -269.111,0.317 ccw(c-272.7,-0.52) -276.189,0.665 -282.85,0.665 ccw(c-282.85,0.215) -282.851,0.665 ccw(c-282.85,2.215) -282.85,0.665 -282.851,0.665 cw(c-282.85,2.215) -284.4,2.215 -284.4,36.126 -280.67,36.126 ccw(c-280.67,37.719) -279.077,37.719 -279.077,37.795 ccw(c-280.797,37.795) -280.797,39.515 -284.4,39.515 -284.4,92.415 ccw(c-284.85,92.415) -284.4,92.416 cw(c-282.85,92.415) -282.851,93.965 cw(c-282.85,92.415) -282.85,93.965 -276.189,93.965 ccw(c-272.7,95.149) -269.211,93.965 -189.389,93.965 ccw(c-185.9,95.149) -182.411,93.965 -102.589,93.965 ccw(c-99.1,95.149) -95.611,93.965 -13.816,93.965 ccw(c-10.327,95.149) -6.838,93.965 -2.15,93.965 cw(c-2.15,92.415) -0.6,92.415 -0.6,39.515 -4.242,39.515 ccw(c-4.242,37.846) -5.911,37.846 ccw(c-4.191,37.846) -4.191,36.126 -0.6,36.126 -0.6,2.215 cw(c-2.15,2.215) -2.15,0.665 -8.811,0.665 ccw(c-12.3,-0.52) -15.789,0.665 -95.611,0.665 ccw(c-99.1,-0.52) -102.589,0.665 -182.411,0.665 ccw(c-185.9,-0.52) -189.489,0.317 ccw(c-189.05,0.215) -188.611,0.113 cw(c-185.9,-0.52) -183.189,0.114 cw(c-185.9,-0.52) -183.189,0.113 -183.189,0.114 ccw(c-182.75,0.215) -182.75,-0.235 -102.25,-0.235 ccw(c-102.25,0.215) -101.811,0.115 cw(c-99.1,-0.52) -96.389,0.114 cw(c-99.1,-0.52) -96.389,0.113 -96.389,0.114 ccw(c-95.95,0.215) -95.95,-0.235 -15.45,-0.235 ccw(c-15.45,0.215) -15.011,0.114 cw(c-12.3,-0.52) -9.589,0.113 ccw(c-9.15,0.215) -9.15,-0.235 -2.15,-0.235 ccw(c-2.15,2.215) 0.3,2.215 0.3,36.576 ccw(c-0.15,36.576) -0.15,37.026 -4.191,37.026 cw(c-4.191,37.846) -5.011,37.846 cw(c-4.242,37.846) -4.242,38.615 -0.15,38.615 ccw(c-0.15,39.065) 0.3,39.065 0.3,92.415 ccw(c-2.15,92.415) -2.15,94.865 -7.15,94.865 ccw(c-7.15,94.415) -7.164,94.865 ccw(c-7.177,94.415) -7.616,94.517 cw(c-10.327,95.149) -13.038,94.516 cw(c-10.327,95.149) -13.038,94.517 -13.038,94.516 ccw(c-13.477,94.415) -13.477,94.865 -95.95,94.865 ccw(c-95.95,94.415) -96.389,94.517 cw(c-99.1,95.149) -101.811,94.516 cw(c-99.1,95.149) -101.811,94.517 -101.811,94.516 ccw(c-102.25,94.415) -102.25,94.865 -182.75,94.865 ccw(c-182.75,94.415) -183.189,94.516 ccw(c-185.9,95.149) -183.189,94.517 -183.189,94.516 cw(c-185.9,95.149) -188.611,94.517 ccw(c-189.05,94.415) -189.05,94.865 -269.55,94.865 ccw(c-269.55,94.415) -269.988,94.517 cw(c-272.7,95.149) -275.411,94.516 ccw(c-275.85,94.415) -275.85,94.865 -282.85,94.865 cw(c-282.85,94.415) -282.848,94.865 -282.85,94.865 ccw(c-282.85,92.415) -285.3,92.415 ccw(c-284.85,92.415) -285.3,92.413 -285.3,39.065 ccw(c-284.85,39.065) -284.85,38.615 -280.797,38.615 cw(c-280.797,37.795) -279.977,37.795 -279.977,37.719 cw(c-280.67,37.719) -280.67,37.026 -284.861,37.026 ccw(c-284.861,36.576) -285.3,36.477
  pour cut-out: -269.55,-0.235 cw(c-269.55,0.215) -269.55,0.665 -189.05,0.665 cw(c-189.05,0.215) -188.6,0.215 cw(c-189.05,0.215) -189.05,-0.235
  pour cut-out: -285.313,36.012 -285.313,39.695 -280.67,39.695 cw(c-280.67,37.846) -280.67,35.997 -285.298,35.997 cw(c-285.298,36.012)
  pour cut-out: 0.254,39.624 0.254,35.941 -4.389,35.941 cw(c-4.389,37.79) -4.389,39.639 0.239,39.639 cw(c0.239,39.624)
  pour cut-out: -276.23,94.342 ccw(c-272.694,95.149) -269.147,94.388 ccw(c-269.272,94.415) -269.144,94.415 ccw(c-269.272,94.415) -269.272,94.542 -276.061,94.542 ccw(c-276.061,94.415) -276.171,94.48 ccw(c-276.106,94.37)
  pour cut-out: -189.43,94.342 ccw(c-185.894,95.149) -182.347,94.388 ccw(c-182.472,94.415) -182.344,94.415 ccw(c-182.472,94.415) -182.472,94.542 -189.261,94.542 ccw(c-189.261,94.415) -189.371,94.48 ccw(c-189.306,94.37)
  pour cut-out: -102.63,94.342 ccw(c-99.094,95.149) -95.547,94.388 ccw(c-95.672,94.415) -95.544,94.415 ccw(c-95.672,94.415) -95.672,94.542 -102.461,94.542 ccw(c-102.461,94.415) -102.571,94.48 ccw(c-102.506,94.37)
  pour cut-out: -269.158,0.288 ccw(c-272.694,-0.519) -276.241,0.242 ccw(c-276.116,0.215) -276.244,0.215 ccw(c-276.116,0.215) -276.116,0.088 -269.327,0.088 ccw(c-269.327,0.215) -269.217,0.15 ccw(c-269.282,0.26)
  pour cut-out: -182.358,0.288 ccw(c-185.894,-0.519) -189.441,0.242 ccw(c-189.316,0.215) -189.444,0.215 ccw(c-189.316,0.215) -189.316,0.088 -182.527,0.088 ccw(c-182.527,0.215) -182.417,0.15 ccw(c-182.482,0.26)
  pour cut-out: -95.558,0.288 ccw(c-99.094,-0.519) -102.641,0.242 ccw(c-102.516,0.215) -102.644,0.215 ccw(c-102.516,0.215) -102.516,0.088 -95.727,0.088 ccw(c-95.727,0.215) -95.617,0.15 ccw(c-95.682,0.26)
  pour cut-out: -8.758,0.288 ccw(c-12.294,-0.519) -15.841,0.242 ccw(c-15.716,0.215) -15.844,0.215 ccw(c-15.716,0.215) -15.716,0.088 -8.927,0.088 ccw(c-8.927,0.215) -8.817,0.15 ccw(c-8.882,0.26)
  pour cut-out: -13.83,94.342 ccw(c-10.294,95.149) -6.747,94.388 ccw(c-6.872,94.415) -6.744,94.415 ccw(c-6.872,94.415) -6.872,94.542 -13.661,94.542 ccw(c-13.661,94.415) -13.771,94.48 ccw(c-13.706,94.37)
Bottom Layer:
  pour cut-out: -150.114,-0.762 ccw(c-149.987,-0.762) -149.987,-0.889 -77.597,-0.889 ccw(c-77.597,-0.762) -77.47,-0.762 -77.47,5.842 ccw(c-78.867,5.842) -78.867,7.239 -148.717,7.239 ccw(c-148.717,5.842) -150.114,5.842
  pour cut-out: -214,74.69 cw(c-214,75.89) -214,77.09 -40,77.09 cw(c-40,75.89) -38.8,75.89 cw(c-40,75.89) -40,74.69
  pour cut-out: -214,36.59 cw(c-214,37.79) -214,38.99 -40,38.99 cw(c-40,37.79) -38.8,37.79 cw(c-40,37.79) -40,36.59
  pour cut-out: -285.3,2.215 ccw(c-282.85,2.215) -282.85,-0.235 ccw(c-282.85,0.215) -282.848,-0.235 -275.85,-0.235 ccw(c-275.85,0.215) -275.411,0.114 cw(c-272.7,-0.52) -269.989,0.113 ccw(c-269.55,0.215) -269.1,0.215 ccw(c-269.55,0.215) -269.111,0.317 ccw(c-272.7,-0.52) -276.189,0.665 -282.85,0.665 ccw(c-282.85,0.215) -282.851,0.665 ccw(c-282.85,2.215) -282.85,0.665 -282.851,0.665 cw(c-282.85,2.215) -284.4,2.215 -284.4,36.126 -280.67,36.126 ccw(c-280.67,37.719) -279.077,37.719 -279.077,37.795 ccw(c-280.797,37.795) -280.797,39.515 -284.4,39.515 -284.4,92.415 ccw(c-284.85,92.415) -284.4,92.416 cw(c-282.85,92.415) -282.851,93.965 cw(c-282.85,92.415) -282.85,93.965 -276.189,93.965 ccw(c-272.7,95.149) -269.211,93.965 -189.389,93.965 ccw(c-185.9,95.149) -182.411,93.965 -102.589,93.965 ccw(c-99.1,95.149) -95.611,93.965 -13.816,93.965 ccw(c-10.327,95.149) -6.838,93.965 -2.15,93.965 cw(c-2.15,92.415) -0.6,92.415 -0.6,39.515 -4.242,39.515 ccw(c-4.242,37.846) -5.911,37.846 ccw(c-4.191,37.846) -4.191,36.126 -0.6,36.126 -0.6,2.215 cw(c-2.15,2.215) -2.15,0.665 -8.811,0.665 ccw(c-12.3,-0.52) -15.789,0.665 -95.611,0.665 ccw(c-99.1,-0.52) -102.589,0.665 -182.411,0.665 ccw(c-185.9,-0.52) -189.489,0.317 ccw(c-189.05,0.215) -188.611,0.113 cw(c-185.9,-0.52) -183.189,0.114 cw(c-185.9,-0.52) -183.189,0.113 -183.189,0.114 ccw(c-182.75,0.215) -182.75,-0.235 -102.25,-0.235 ccw(c-102.25,0.215) -101.811,0.115 cw(c-99.1,-0.52) -96.389,0.114 cw(c-99.1,-0.52) -96.389,0.113 -96.389,0.114 ccw(c-95.95,0.215) -95.95,-0.235 -15.45,-0.235 ccw(c-15.45,0.215) -15.011,0.114 cw(c-12.3,-0.52) -9.589,0.113 ccw(c-9.15,0.215) -9.15,-0.235 -2.15,-0.235 ccw(c-2.15,2.215) 0.3,2.215 0.3,36.576 ccw(c-0.15,36.576) -0.15,37.026 -4.191,37.026 cw(c-4.191,37.846) -5.011,37.846 cw(c-4.242,37.846) -4.242,38.615 -0.15,38.615 ccw(c-0.15,39.065) 0.3,39.065 0.3,92.415 ccw(c-2.15,92.415) -2.15,94.865 -7.15,94.865 ccw(c-7.15,94.415) -7.164,94.865 ccw(c-7.177,94.415) -7.616,94.517 cw(c-10.327,95.149) -13.038,94.516 cw(c-10.327,95.149) -13.038,94.517 -13.038,94.516 ccw(c-13.477,94.415) -13.477,94.865 -95.95,94.865 ccw(c-95.95,94.415) -96.389,94.517 cw(c-99.1,95.149) -101.811,94.516 cw(c-99.1,95.149) -101.811,94.517 -101.811,94.516 ccw(c-102.25,94.415) -102.25,94.865 -182.75,94.865 ccw(c-182.75,94.415) -183.189,94.516 ccw(c-185.9,95.149) -183.189,94.517 -183.189,94.516 cw(c-185.9,95.149) -188.611,94.517 ccw(c-189.05,94.415) -189.05,94.865 -269.55,94.865 ccw(c-269.55,94.415) -269.988,94.517 cw(c-272.7,95.149) -275.411,94.516 ccw(c-275.85,94.415) -275.85,94.865 -282.85,94.865 cw(c-282.85,94.415) -282.848,94.865 -282.85,94.865 ccw(c-282.85,92.415) -285.3,92.415 ccw(c-284.85,92.415) -285.3,92.413 -285.3,39.065 ccw(c-284.85,39.065) -284.85,38.615 -280.797,38.615 cw(c-280.797,37.795) -279.977,37.795 -279.977,37.719 cw(c-280.67,37.719) -280.67,37.026 -284.861,37.026 ccw(c-284.861,36.576) -285.3,36.477
  pour cut-out: -269.55,-0.235 cw(c-269.55,0.215) -269.55,0.665 -189.05,0.665 cw(c-189.05,0.215) -188.6,0.215 cw(c-189.05,0.215) -189.05,-0.235
  pour cut-out: -285.313,36.012 -285.313,39.695 -280.67,39.695 cw(c-280.67,37.846) -280.67,35.997 -285.298,35.997 cw(c-285.298,36.012)
  pour cut-out: 0.254,39.624 0.254,35.941 -4.389,35.941 cw(c-4.389,37.79) -4.389,39.639 0.239,39.639 cw(c0.239,39.624)
  pour cut-out: -269.158,0.288 ccw(c-272.694,-0.519) -276.241,0.242 ccw(c-276.116,0.215) -276.244,0.215 ccw(c-276.116,0.215) -276.116,0.088 -269.327,0.088 ccw(c-269.327,0.215) -269.217,0.15 ccw(c-269.282,0.26)
  pour cut-out: -276.23,94.342 ccw(c-272.694,95.149) -269.147,94.388 ccw(c-269.272,94.415) -269.144,94.415 ccw(c-269.272,94.415) -269.272,94.542 -276.061,94.542 ccw(c-276.061,94.415) -276.171,94.48 ccw(c-276.106,94.37)
  pour cut-out: -189.43,94.342 ccw(c-185.894,95.149) -182.347,94.388 ccw(c-182.472,94.415) -182.344,94.415 ccw(c-182.472,94.415) -182.472,94.542 -189.261,94.542 ccw(c-189.261,94.415) -189.371,94.48 ccw(c-189.306,94.37)
  pour cut-out: -182.358,0.288 ccw(c-185.894,-0.519) -189.441,0.242 ccw(c-189.316,0.215) -189.444,0.215 ccw(c-189.316,0.215) -189.316,0.088 -182.527,0.088 ccw(c-182.527,0.215) -182.417,0.15 ccw(c-182.482,0.26)
  pour cut-out: -95.558,0.288 ccw(c-99.094,-0.519) -102.641,0.242 ccw(c-102.516,0.215) -102.644,0.215 ccw(c-102.516,0.215) -102.516,0.088 -95.727,0.088 ccw(c-95.727,0.215) -95.617,0.15 ccw(c-95.682,0.26)
  pour cut-out: -102.63,94.342 ccw(c-99.094,95.149) -95.547,94.388 ccw(c-95.672,94.415) -95.544,94.415 ccw(c-95.672,94.415) -95.672,94.542 -102.461,94.542 ccw(c-102.461,94.415) -102.571,94.48 ccw(c-102.506,94.37)
  pour cut-out: -13.83,94.342 ccw(c-10.294,95.149) -6.747,94.388 ccw(c-6.872,94.415) -6.744,94.415 ccw(c-6.872,94.415) -6.872,94.542 -13.661,94.542 ccw(c-13.661,94.415) -13.771,94.48 ccw(c-13.706,94.37)
  pour cut-out: -8.758,0.288 ccw(c-12.294,-0.519) -15.841,0.242 ccw(c-15.716,0.215) -15.844,0.215 ccw(c-15.716,0.215) -15.716,0.088 -8.927,0.088 ccw(c-8.927,0.215) -8.817,0.15 ccw(c-8.882,0.26)

## Silkscreen, mask and mechanical layers (free items; w line width, h text height)
Top Overlay:
  circle w0.254: c-49.309,54.141 r1.27
  circle w0.254: c-49.309,60.491 r1.27
  lines w0.2: -32.385,38.227 -32.385,41.402 -20.32,41.402 -20.32,38.227 -32.385,38.227
  lines w0.254: -141.986,16.51 -141.986,23.44 -123.825,23.44 -123.825,16.51 -141.986,16.51
  lines w0.3: -17.145,42.291 -16.383,41.402
  text "5V IN" at -1.651,74.549 h0.75 r270
  text "-" at -2.794,71.108 h1.5 r180
  text "+" at -5.156,69.874 h1.5 r90
  text "+" at -50.071,60.999 h1.54 r270
  text "+" at -62.968,57.988 h1.5
  text "3.7V LiPo" at -51.112,56.649 h1.3
  text "-" at -63.018,55.488 h1.5
  text "-" at -49.817,53.379 h1.54
  text "BAT" at -57.658,53.34 h0.75
  text "ON   OFF" at -31.369,51.752 h0.75 r270
  text "A" at -17.907,43.815 h0.75
  text "Pull up to / connect battery" at -31.75,38.354 h0.75
  text "cyber60" at -140.988,20.011 h5
  text "by 4pplet" at -132.969,17.399 h2
  text "Rev A2" at -140.843,17.272 h2
  text "RST" at -174.117,10.922 h0.75 r270
  text "P0.05" at -161.29,7.112 h0.75 r270
  text "DIO" at -168.783,5.842 h0.75 r270
  text "CLK" at -166.37,5.842 h0.75 r270
  text "RST" at -163.83,5.842 h0.75 r270
  text "GND" at -158.623,5.842 h0.75 r270
  text "3V3" at -170.688,3.937 h0.75 r90
Bottom Overlay:
  lines w0.2: -2.179,74.071 -7.229,74.071 -7.229,71.521 -2.129,71.521 -2.129,74.021 ; -172.72,12.446 -172.72,7.366 -170.18,7.366 -170.18,12.446 ; -172.72,12.446 -170.18,12.446 ; -172.72,12.446 -170.18,12.446 ; -172.339,0.762 -157.099,0.762 -157.099,3.302 -172.339,3.302 -172.339,0.762
  text "5V IN" at -2.921,74.549 h0.75
  text "-" at -2.794,71.108 h1.5 r180
  text "+" at -5.156,69.874 h1.5 r90
  text "+" at -55.094,57.607 h1.5
  text "-" at -55.118,55.638 h1.5
  text "BAT" at -51.308,54.229 h0.75
  text "RST" at -170.561,12.954 h0.75
  text "P0.05" at -160.528,7.112 h0.75 r90
  text "DIO" at -168.021,5.842 h0.75 r90
  text "CLK" at -165.608,5.842 h0.75 r90
  text "RST" at -163.068,5.842 h0.75 r90
  text "GND" at -157.861,5.842 h0.75 r90
  text "3V3" at -171.45,3.937 h0.75 r270
outline:
  lines w0.1: -284.861,36.576 -280.67,36.576 ccw(c-280.67,37.719) -279.527,37.719 -279.527,37.795 ccw(c-280.797,37.795) -280.797,39.065 -284.85,39.065 -284.85,92.415 cw(c-282.85,92.415) -282.85,94.415 -275.85,94.415 ccw(c-272.7,95.149) -269.55,94.415 -189.05,94.415 ccw(c-185.9,95.149) -182.75,94.415 -102.25,94.415 ccw(c-99.1,95.149) -95.95,94.415 -23.553,94.415 ; -284.85,36.565 -284.85,2.215 ccw(c-282.85,2.215) -282.85,0.215 -275.85,0.215 cw(c-272.7,-0.52) -269.55,0.215 -189.05,0.215 cw(c-185.9,-0.52) -182.75,0.215 -102.25,0.215 cw(c-99.1,-0.52) -95.95,0.215 -15.45,0.215 cw(c-12.3,-0.52) -9.15,0.215 -2.15,0.215 ccw(c-2.15,2.215) -0.15,2.215 -0.15,36.576 -0.762,36.576 -4.191,36.576 cw(c-4.191,37.846) -5.461,37.846 cw(c-4.242,37.846) -4.242,39.065 -0.15,39.065 -0.15,92.415 ccw(c-2.15,92.415) -2.15,94.415 -7.15,94.415 ; -24.208,94.415 -13.477,94.415 ccw(c-10.327,95.149) -7.177,94.415
Mechanical 16:
  drawing of 569 lines, arcs and shapes, not listed

## Dimensions
-0.15,92.415 to -284.85,92.415 on top dimensions
-9.15,0.215 to -7.177,94.415 on top dimensions
-0.15,92.415 to -284.85,92.415 on bot dimensions
-9.15,0.215 to -2.15,94.415 on bot dimensions

## Text inside footprints (layer, text, board x,y; h text height)
CON301: Mechanical 15 "connector edge" at -15.25,95.25 h1 r180
CON305: Top Overlay "1" at -164.592,17.399 h1.02 r180
S262: Mechanical 16 "6.25U" at -188.764,5.615 h1.52 r270; Mechanical 16 "7U" at -208.331,7.365 h1.52 r270